# KiCad board cyberdeck-alpha.kicad_pcb
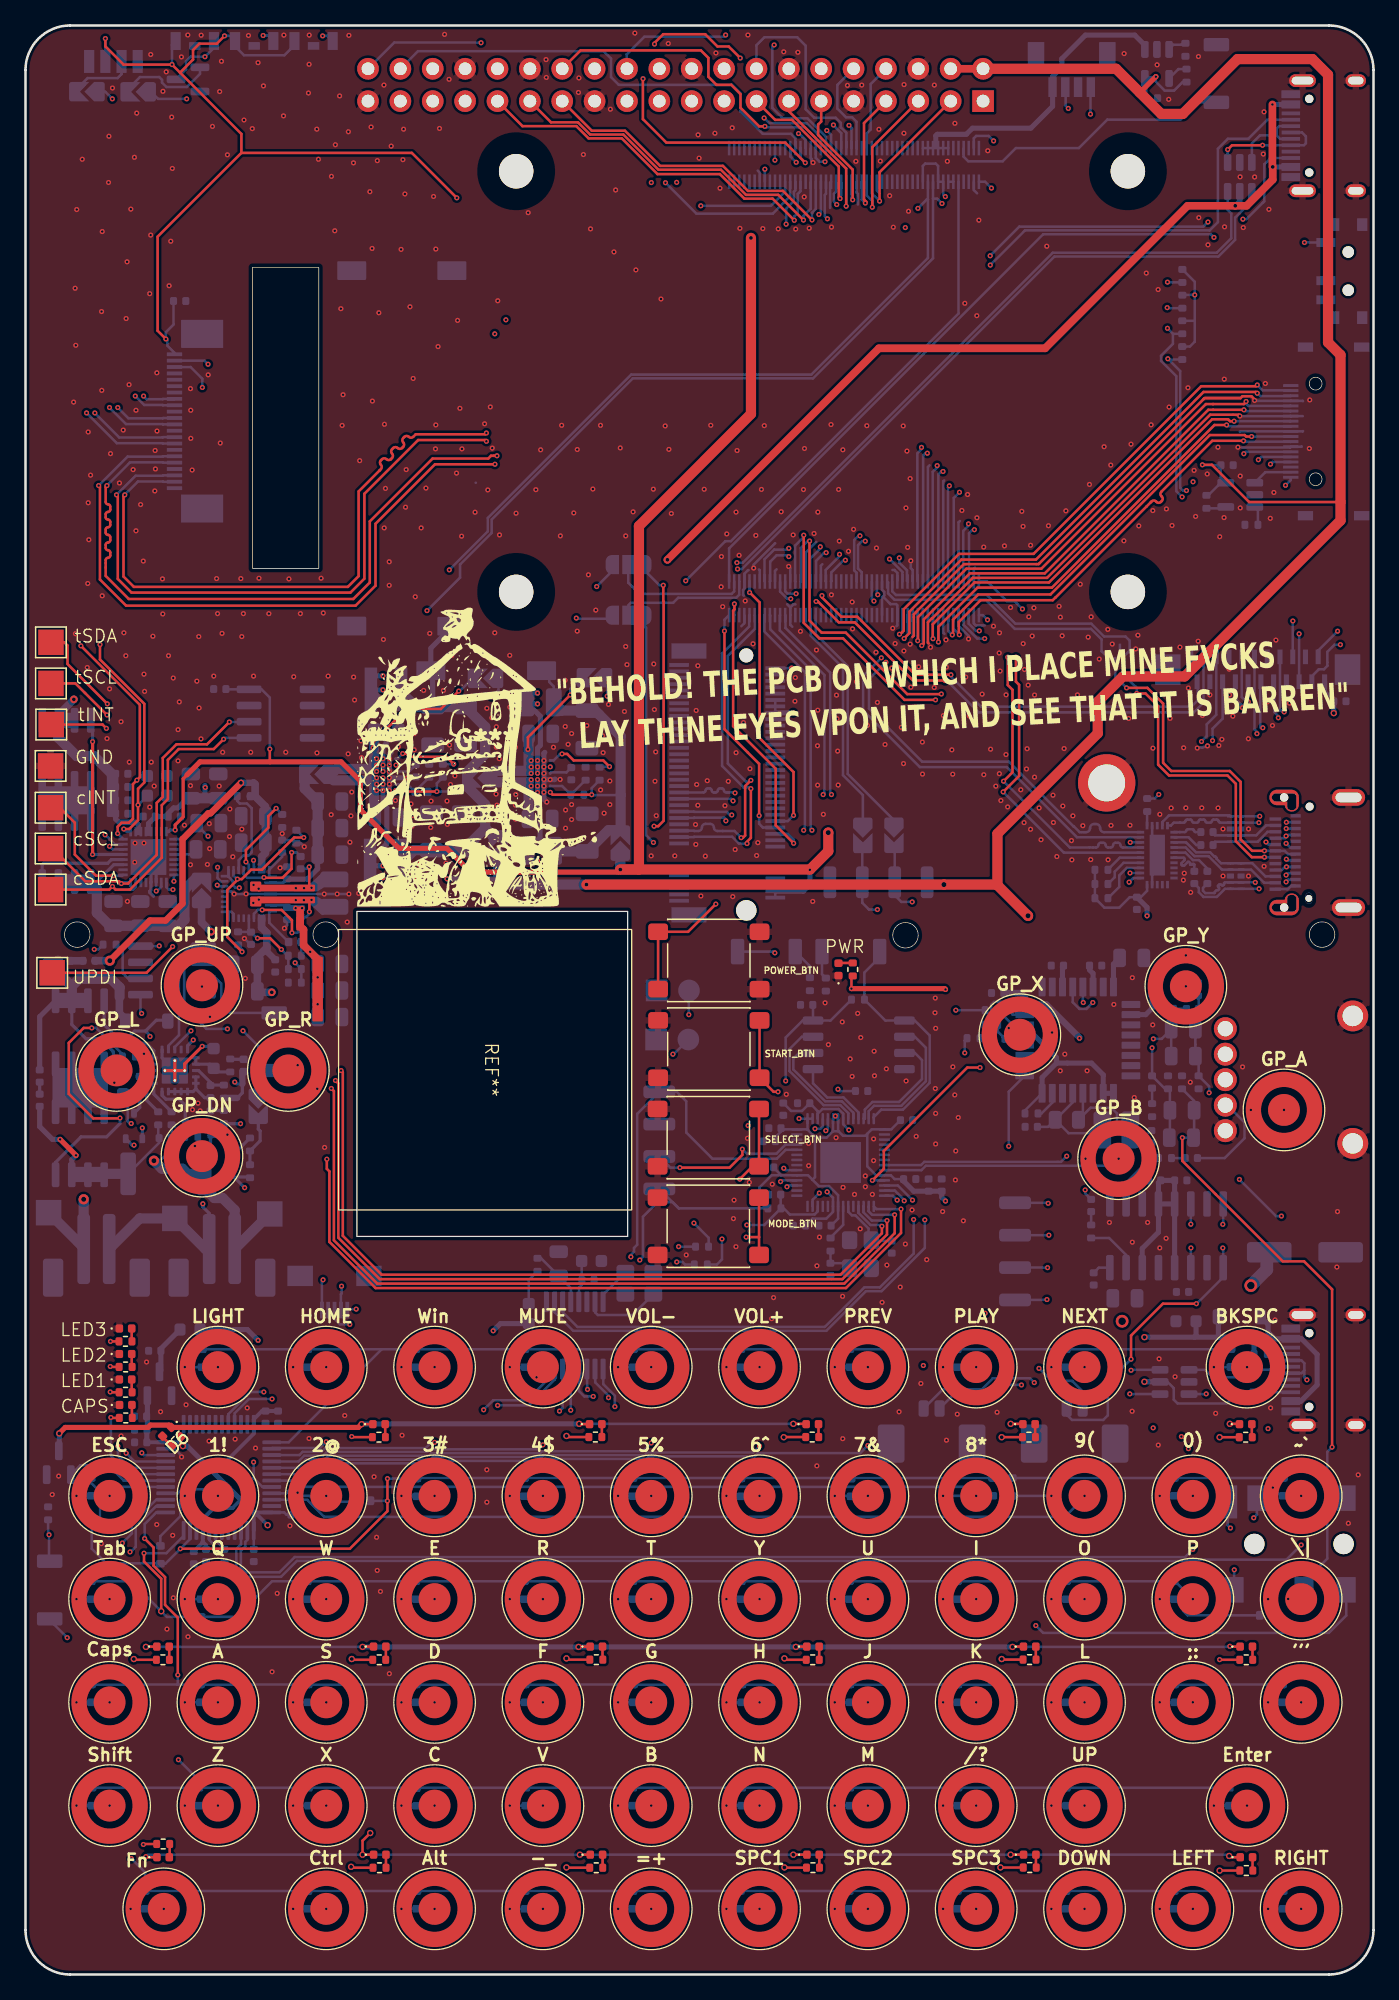
[diagram p0: board, top side]
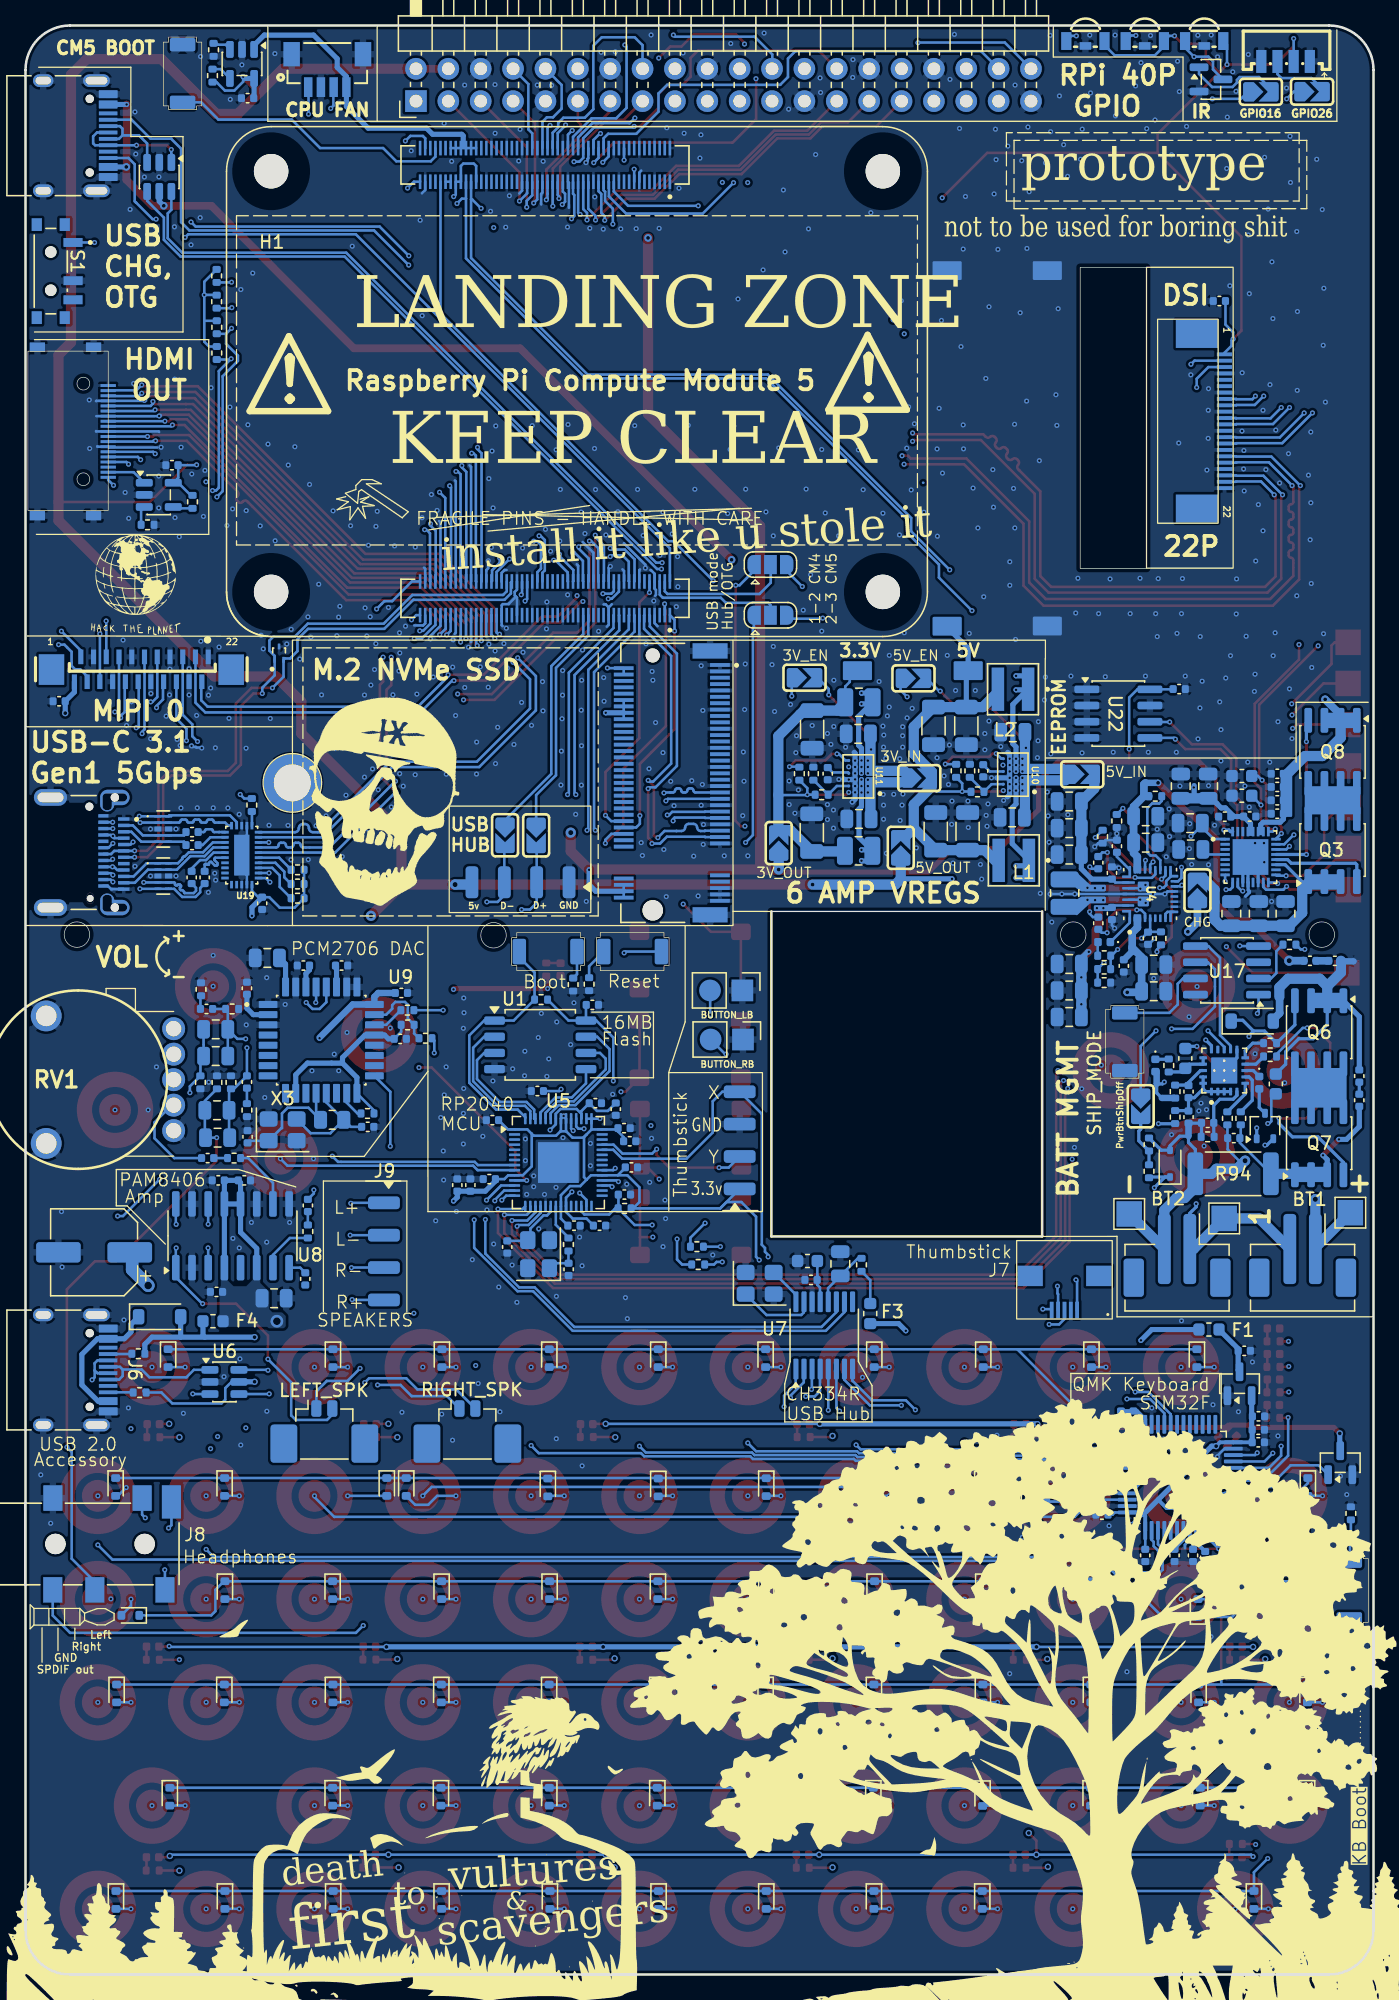
[diagram p1: board, bottom side, seen from below]

Outline 105.78 x 152.9 mm; copper layers: Top, In1.Cu, In2.Cu, Bottom. Coordinates in mm from the lower left corner of the outline.
Outline path: circle c4.06,81.58 r1 ; rectangle 17.82,133.93 23.02,110.31 ; circle c23.56,81.58 r1 ; rectangle 26,83.4 47.25,57.9 ; circle c69.05,81.53 r1 ; circle c101.74,81.58 r1 ; 0,149.4 arc(1.03,151.87) 3.5,152.9 102.28,152.9 arc(104.75,151.87) 105.78,149.4 105.78,3.5 arc(104.75,1.03) 102.28,0 3.5,0 arc(1.03,1.03) 0,3.5 0,149.4
Stack: Top 0.035mm / dielectric 0.1mm FR4 er 4.5 / In1.Cu 0.035mm / dielectric 1.24mm FR4 er 4.5 / In2.Cu 0.035mm / dielectric 0.1mm FR4 er 4.5 / Bottom 0.035mm

## Placement (name value [footprint] x y rotation side)
BT1  Battery_Cell  [JST_PH_B2B-PH-SM4-TB_1x02-1MP_P2.00mm_Vertical]  5.57 56.42 0 bottom
BT2  Battery_Cell  [JST_PH_B2B-PH-SM4-TB_1x02-1MP_P2.00mm_Vertical]  15.42 56.42 0 bottom
C1  100nF  [C_0402_1005Metric]  15.61 32.88 270 bottom
C2  1uF  [C_0402_1005Metric]  10.14 48.93 180 bottom
C3  1uF  [C_0402_1005Metric]  9.02 43.79 180 bottom
C4  100nF  [C_0402_1005Metric]  17.91 32.88 90 bottom
C5  100nF  [C_0402_1005Metric]  9.04 41.75 0 bottom
C6  4.7uF  [C_0402_1005Metric]  9.04 42.73 0 bottom
C7  100nF  [C_0402_1005Metric]  21.31 36.08 180 bottom
C8  10nF  [C_0402_1005Metric]  14.16 32.88 90 bottom
C9  1uF  [C_0402_1005Metric]  13.21 32.7 90 bottom
C10  100nF  [C_0402_1005Metric]  18.84 43.72 90 bottom
C11  4.7uF  [C_0402_1005Metric]  19.82 43.72 90 bottom
C12  100nF  [C_0402_1005Metric]  70.87 61.93 270 bottom
C13  20pF  [C_0402_1005Metric]  67.97 57.07 90 bottom
C14  20pF  [C_0402_1005Metric]  63.16 55.32 90 bottom
C15  100nF  [C_0402_1005Metric]  60.73 58.75 0 bottom
C16  100nF  [C_0402_1005Metric]  61.06 68.35 0 bottom
C17  100nF  [C_0402_1005Metric]  87.21 84.04 270 bottom
C18  470nF  [C_0402_1005Metric]  83.62 60.33 270 bottom
C19  470nF  [C_0402_1005Metric]  91.48 64.05 180 bottom
C20  100nF  [C_0402_1005Metric]  83.82 54.57 90 bottom
C21  1uF  [C_0402_1005Metric]  59.46 67.89 90 bottom
C22  100nF  [C_0402_1005Metric]  71.89 61.93 270 bottom
C23  100nF  [C_0402_1005Metric]  62.73 58.75 0 bottom
C24  100nF  [C_0402_1005Metric]  58.23 63.32 0 bottom
C25  100nF  [C_0402_1005Metric]  58.36 65.37 0 bottom
C26  1uF  [C_0402_1005Metric]  88.4 77.37 90 bottom
C27  100nF  [C_0402_1005Metric]  58.8 66.4 0 bottom
C28  10uF  [C_0603_1608Metric]  44.42 55.98 0 bottom
C29  100nF  [C_0402_1005Metric]  65.61 69.31 180 bottom
C30  100nF  [C_0402_1005Metric]  69.14 67.03 180 bottom
C31  1uF  [C_0402_1005Metric]  69.38 62.4 180 bottom
C32  100nF  [C_0402_1005Metric]  44.14 54.49 180 bottom
C33  22uF  [C_0805_2012Metric]  41.84 55.76 270 bottom
C34  1uF  [C_0402_1005Metric]  58.78 61.18 180 bottom
C35  100nF  [C_0402_1005Metric]  61.3 76.07 180 bottom
C36  1uF  [C_0402_1005Metric]  88.6 62.3 180 bottom
C37  1uF  [C_0402_1005Metric]  90.79 53.55 0 bottom
C38  100uF 16V  [CP_Elec_6.3x5.4]  100.39 56.66 0 bottom
C39  22uF  [C_0805_2012Metric]  86.27 53.05 180 bottom
C40  22nF  [C_0402_1005Metric]  88.4 70.02 90 bottom
C41  22nF  [C_0402_1005Metric]  91.57 75.75 180 bottom
C42  22uF  [C_0805_2012Metric]  90.85 74.15 0 bottom
C43  22uF  [C_0805_2012Metric]  90.85 72.05 0 bottom
C44  22uF  [C_0805_2012Metric]  90.75 67.8 0 bottom
C45  22uF  [C_0805_2012Metric]  90.7 65.65 0 bottom
C46  20pF  [C_0402_1005Metric]  88.35 65.72 270 bottom
C47  20pF  [C_0402_1005Metric]  78.92 66.5 180 bottom
C48  1uF  [C_0402_1005Metric]  80.97 79.15 180 bottom
C49  1uF  [C_0402_1005Metric]  83.97 79.15 0 bottom
C50  22uF  [C_0805_2012Metric]  86.8 79.75 180 bottom
C51  1uF  [C_0402_1005Metric]  76.37 73.4 180 bottom
C52  1uF  [C_0402_1005Metric]  76.28 77 0 bottom
C53  1uF  [C_0402_1005Metric]  90.65 62.3 180 bottom
C54  22uF  [C_0805_2012Metric]  28.35 90.78 180 bottom
C55  22uF  [C_0805_2012Metric]  28.3 97.46 180 bottom
C56  47uF  [C_1206_3216Metric]  31.85 89.68 270 bottom
C57  47uF  [C_1206_3216Metric]  31.95 97.96 90 bottom
C58  47uF  [C_1206_3216Metric]  34.35 89.68 270 bottom
C59  47uF  [C_1206_3216Metric]  34.53 97.96 90 bottom
C60  3.3nF  [C_0402_1005Metric]  30.63 94.43 90 bottom
C61  22uF  [C_0805_2012Metric]  40.43 97.33 180 bottom
C62  22uF  [C_0805_2012Metric]  40.38 90.66 180 bottom
C63  3.3nF  [C_0402_1005Metric]  42.83 94.21 90 bottom
C64  47uF  [C_1206_3216Metric]  44.05 97.68 90 bottom
C65  47uF  [C_1206_3216Metric]  44.08 89.58 270 bottom
C66  100nF  [C_0402_1005Metric]  94.28 118.41 180 bottom
C67  100nF  [C_0402_1005Metric]  88.35 147.2 180 bottom
C72  100nF  [C_0402_1005Metric]  92.71 88.61 0 bottom
C73  100nF  [C_0402_1005Metric]  92.71 89.63 0 bottom
C74  100nF  [C_0402_1005Metric]  91.72 86.07 270 bottom
C75  100nF  [C_0402_1005Metric]  92.74 86.07 270 bottom
C76  4.7uF  [C_0402_1005Metric]  17.7 81.3 90 bottom
C77  47nF  [C_0402_1005Metric]  21.6 82.48 90 bottom
C79  100nF  [C_0402_1005Metric]  12.1 131.29 0 bottom
C83  100nF  [C_0402_1005Metric]  103.14 99.89 0 bottom
C84  2.2uF  [C_0603_1608Metric]  14.77 71.87 270 bottom
C85  220nF  [C_0402_1005Metric]  14.52 69.27 90 bottom
C86  220nF  [C_0402_1005Metric]  14.52 67.27 90 bottom
C87  220nF  [C_0402_1005Metric]  13.02 66.82 180 bottom
C88  100nF  [C_0402_1005Metric]  10.97 65.62 0 bottom
C89  100nF  [C_0402_1005Metric]  1.12 68.59 270 bottom
C90  100nF  [C_0402_1005Metric]  1.12 70.49 270 bottom
C91  100nF  [C_0402_1005Metric]  3.04 79.53 180 bottom
C92  100nF  [C_0402_1005Metric]  4.99 79.53 180 bottom
C93  47nF  [C_0402_1005Metric]  21.6 87.23 270 bottom
C94  1nF  [C_0402_1005Metric]  20.14 88.52 90 bottom
C95  10uF  [C_0805_2012Metric]  17.88 90.87 180 bottom
C96  10uF  [C_0805_2012Metric]  17.88 88.8 0 bottom
C97  10uF  [C_0805_2012Metric]  23.88 79.28 0 bottom
C98  10uF  [C_0805_2012Metric]  23.88 77.2 180 bottom
C99  10uF  [C_0805_2012Metric]  23.88 75.12 180 bottom
C100  100nF  [C_0402_1005Metric]  20.53 83.24 270 bottom
C101  100nF  [C_0402_1005Metric]  19.6 79.13 270 bottom
C102  10uF  [C_0805_2012Metric]  17.25 79.23 180 bottom
C103  10uF  [C_0805_2012Metric]  17.25 77.14 0 bottom
C104  10uF  [C_0805_2012Metric]  14.39 90.33 0 bottom
C105  10uF  [C_0805_2012Metric]  14.34 88.27 0 bottom
C106  100nF  [C_0402_1005Metric]  7.55 93.17 0 bottom
C107  100nF  [C_0402_1005Metric]  20.53 86.42 90 bottom
C108  10uF  [C_0805_2012Metric]  23.88 92.03 180 bottom
C109  10uF  [C_0805_2012Metric]  23.88 89.94 180 bottom
C110  10uF  [C_0805_2012Metric]  23.88 87.86 180 bottom
C111  10uF  [C_0805_2012Metric]  6.91 83.23 90 bottom
C112  4.7uF  [C_0402_1005Metric]  7.55 94.2 0 bottom
C113  100nF  [C_0402_1005Metric]  7.55 92.12 0 bottom
C114  100nF  [C_0402_1005Metric]  7.55 91.07 0 bottom
C115  22uF  [C_0805_2012Metric]  9.01 83.23 90 bottom
C116  22uF  [C_0805_2012Metric]  11.16 83.23 90 bottom
C117  330pF  [C_0603_1608Metric]  10.33 94.03 180 bottom
C118  330pF  [C_0603_1608Metric]  10.33 92.48 180 bottom
C119  100nF  [C_0402_1005Metric]  11.68 90.84 0 bottom
C120  100nF  [C_0402_1005Metric]  9.72 90.85 180 bottom
C121  10uF  [C_0805_2012Metric]  15.13 93.23 90 bottom
C122  10uF  [C_0805_2012Metric]  12.98 93.23 90 bottom
C123  100nF  [C_0402_1005Metric]  15.25 100.84 180 bottom
D1  LED_0402  [LED_0402_1005Metric]  7.85 50.68 0 top
D2  LED_0402  [LED_0402_1005Metric]  7.85 48.68 0 top
D3  LED_0402  [LED_0402_1005Metric]  7.85 46.68 0 top
D4  LED_0402  [LED_0402_1005Metric]  7.87 44.68 0 top
D5  BACKL  [LED_0402_1005Metric]  95.8 9.2 0 top
D6  BACKL  [LED_0402_1005Metric]  11.1 42.58 225 top
D7  BACKL  [LED_0402_1005Metric]  95.79 25.73 0 top
D8  BACKL  [LED_0402_1005Metric]  10.79 25.73 0 top
D9  BACKL  [LED_0402_1005Metric]  95.74 43.18 0 top
D10  BACKL  [LED_0402_1005Metric]  10.8 9.2 0 top
D11  BACKL  [LED_0402_1005Metric]  78.8 9.4 0 top
D12  BACKL  [LED_0402_1005Metric]  27.74 43.18 0 top
D13  BACKL  [LED_0402_1005Metric]  78.79 25.73 0 top
D14  BACKL  [LED_0402_1005Metric]  27.79 25.73 0 top
D15  BACKL  [LED_0402_1005Metric]  78.74 43.18 0 top
D16  BACKL  [LED_0402_1005Metric]  27.8 9.4 0 top
D17  BACKL  [LED_0402_1005Metric]  61.8 9.4 0 top
D18  BACKL  [LED_0402_1005Metric]  44.74 43.18 0 top
D19  BACKL  [LED_0402_1005Metric]  61.79 25.73 0 top
D20  BACKL  [LED_0402_1005Metric]  44.79 25.73 0 top
D21  BACKL  [LED_0402_1005Metric]  61.74 43.18 0 top
D22  BACKL  [LED_0402_1005Metric]  44.8 9.4 0 top
D23  LED_0402  [LED_0402_1005Metric]  63.79 78.85 90 top
D27  LKIR30102C-A01(DY)  [LED-SMD_3P-L3.0-W1.0-R-RD]  13.29 151.49 180 bottom
D28  LKIR30102C-A01(DY)  [LED-SMD_3P-L3.0-W1.0-R-RD]  17.95 151.49 180 bottom
D29  LKIR30102C-A01(DY)  [LED-SMD_3P-L3.0-W1.0-R-RD]  22.61 151.49 180 bottom
D30  RB161QS-40T18R  [D_0402_1005Metric]  17.12 71.32 270 bottom
D31  MMSZ4678T1G  [D_SOD-123]  9.52 74.8 180 bottom
D32  RB161QS-40T18R  [D_0402_1005Metric]  8.97 69.97 270 bottom
D33  MMSZ5246BS-7-F  [D_SOD-323]  15.97 63.62 90 bottom
D34  -  [TPD2EUSB30DRTR]  85.88 103.66 90 bottom
D35  LED_0402  [LED_0402_1005Metric]  21.13 81 0 bottom
D_1  D  [D_SOD-523]  5.15 38.25 270 bottom
D_2  D  [D_SOD-523]  5.16 30.15 270 bottom
D_3  D  [D_SOD-523]  5.18 22.05 270 bottom
D_4  D  [D_SOD-523]  5.21 13.95 270 bottom
D_5  D  [D_SOD-523]  9.38 5.85 270 bottom
D_6  D  [D_SOD-523]  13.86 48.35 270 bottom
D_7  D  [D_SOD-523]  10.58 32.93 90 bottom
D_8  D  [D_SOD-523]  13.78 28.75 90 bottom
D_9  D  [D_SOD-523]  13.73 22.05 270 bottom
D_10  D  [D_SOD-523]  13.6 13.95 270 bottom
D_11  D  [D_SOD-523]  22.15 5.85 270 bottom
D_12  D  [D_SOD-523]  22.13 48.35 270 bottom
D_13  D  [D_SOD-523]  26.38 37.17 180 bottom
D_14  D  [D_SOD-523]  22.1 30.15 270 bottom
D_15  D  [D_SOD-523]  22.18 22.05 270 bottom
D_16  D  [D_SOD-523]  22.2 13.95 270 bottom
D_17  D  [D_SOD-523]  30.7 5.85 270 bottom
D_18  D  [D_SOD-523]  30.63 48.35 270 bottom
D_19  D  [D_SOD-523]  30.7 38.21 270 bottom
D_20  D  [D_SOD-523]  30.63 30.15 270 bottom
D_21  D  [D_SOD-523]  30.65 22.05 270 bottom
D_22  D  [D_SOD-523]  30.68 13.93 270 bottom
D_23  D  [D_SOD-523]  39.18 48.35 270 bottom
D_24  D  [D_SOD-523]  39.15 38.23 270 bottom
D_25  D  [D_SOD-523]  39.15 30.15 270 bottom
D_26  D  [D_SOD-523]  39.2 22.05 270 bottom
D_27  D  [D_SOD-523]  39.25 13.95 270 bottom
D_28  D  [D_SOD-523]  39.2 5.85 270 bottom
D_29  D  [D_SOD-523]  47.7 48.35 270 bottom
D_30  D  [D_SOD-523]  47.65 38.23 270 bottom
D_31  D  [D_SOD-523]  47.65 30.15 270 bottom
D_32  D  [D_SOD-523]  47.7 22.05 270 bottom
D_33  D  [D_SOD-523]  47.65 13.95 270 bottom
D_34  D  [D_SOD-523]  47.65 5.85 270 bottom
D_35  D  [D_SOD-523]  56.13 48.35 270 bottom
D_36  D  [D_SOD-523]  56.13 38.21 270 bottom
D_37  D  [D_SOD-523]  56.15 30.15 270 bottom
D_38  D  [D_SOD-523]  56.2 22.05 270 bottom
D_39  D  [D_SOD-523]  56.2 13.95 270 bottom
D_40  D  [D_SOD-523]  56.1 5.85 270 bottom
D_41  D  [D_SOD-523]  64.63 5.85 270 bottom
D_42  D  [D_SOD-523]  64.68 48.35 270 bottom
D_43  D  [D_SOD-523]  64.79 38.21 270 bottom
D_44  D  [D_SOD-523]  64.65 30.15 270 bottom
D_45  D  [D_SOD-523]  64.69 22.05 270 bottom
D_46  D  [D_SOD-523]  64.68 13.95 270 bottom
D_47  D  [D_SOD-523]  73.1 48.35 270 bottom
D_48  D  [D_SOD-523]  75.9 38.25 270 bottom
D_49  D  [D_SOD-523]  73.13 30.15 270 bottom
D_50  D  [D_SOD-523]  73.15 22.05 270 bottom
D_51  D  [D_SOD-523]  73.18 13.95 270 bottom
D_52  D  [D_SOD-523]  73.13 5.85 270 bottom
D_53  D  [D_SOD-523]  81.65 48.35 270 bottom
D_54  D  [D_SOD-523]  77.43 38.25 270 bottom
D_55  D  [D_SOD-523]  81.68 30.15 270 bottom
D_56  D  [D_SOD-523]  81.65 22.05 270 bottom
D_57  D  [D_SOD-523]  81.68 13.95 270 bottom
D_58  D  [D_SOD-523]  81.63 5.85 270 bottom
D_59  D  [D_SOD-523]  90.15 38.25 270 bottom
D_60  D  [D_SOD-523]  90.13 30.15 270 bottom
D_61  D  [D_SOD-523]  90.18 22.05 270 bottom
D_62  D  [D_SOD-523]  90.13 5.85 270 bottom
D_63  D  [D_SOD-523]  94.58 48.36 270 bottom
D_64  D  [D_SOD-523]  98.7 38.25 270 bottom
D_65  D  [D_SOD-523]  97.55 28.18 0 bottom
D_66  D  [D_SOD-523]  98.63 22.05 270 bottom
D_67  D  [D_SOD-523]  94.45 13.95 270 bottom
D_68  D  [D_SOD-523]  98.68 5.85 270 bottom
D_69  MBR0540  [D_SOD-123]  95.25 51.6 180 bottom
F1  500mA  [Fuse_0603_1608Metric]  12.91 50.6 180 bottom
F3  500mA  [Fuse_0603_1608Metric]  39.49 51.85 90 bottom
F4  500mA  [Fuse_0603_1608Metric]  91.06 51.25 0 bottom
G***  -  [LOGO]  36.11 96.8 0 top
G***#2  -  [LOGO]  52.21 16.49 180 bottom
G***#3  -  [LOGO]  82.13 6.04 180 bottom
G***#4  -  [LOGO]  65.49 18.67 180 bottom
G***#5  -  [LOGO]  66.76 6.45 180 bottom
G***#6  LOGO  [skull]  77.62 92.92 190 bottom
G***#7  LOGO  [hack-the-planet]  97.07 108.94 180 bottom
H1  CM5MountingHoles  [CM5-Mounting-Hole]  86.5 141.47 270 bottom
H2  SMTWE2030MTJ  [M.2 M2 nut standoff]  84.84 93.48 270 bottom
J1  CPU_FAN  [CONN4_BM04B-SRSS_JST]  82.09 149.95 180 bottom
J2  GP_LB  [SMDHeader_1x02_P2.54mm]  49.53 77.2 270 bottom
J3  GP_RB  [SMDHeader_1x02_P2.54mm]  49.48 73.35 270 bottom
J4  JOYSTICK  [1x04_P2.54 SMD pads only]  49.78 75.61 0 bottom
J5  Conn_01x06_Pin  [1x04_P2.54 SMD pads only]  77.1 85.64 270 bottom
J6  USB_C_Receptacle_USB2.0_16P  [USB_C_Receptacle_HRO_TYPE-C-31-M-12]  103.34 47.43 270 bottom
J7  Conn_01x05  [AFC01-S05FCA-00_1x05_P0.5mm_FFC_Bottom_Contact]  24.25 52.13 0 bottom
J8  -  [PJ-342B]  98.98 33.78 180 bottom
J9  SPK  [1x04_P2.54 SMD pads only]  77.6 46.56 180 bottom
J11  Conn_01x22  [AFC07-S22ECA-00]  11.69 121.86 270 bottom
J12  HDMI_C_1.3  [HDMI-519S]  99.28 121.06 270 bottom
J13  USB_C_Receptacle_USB2.0_16P  [USB_C_Receptacle_HRO_TYPE-C-31-M-12]  103.34 144.26 270 bottom
J15  Conn_02x20_Odd_Even  [PinHeader_2x20_P2.54mm_Horizontal]  75.14 146.97 90 bottom
J16  1-2199119-5  [1-2199119-5 M.2 M key]  55.06 93.48 270 bottom
J19  TSOP77438TR  [SENSOR-SMD_TSOP77438TR]  6.9 150.08 0 bottom
J20  Conn_01x22  [FPC-SMD_22P-P1.00_AFC11-S22ICC-00 - REVERSED]  96.69 102.4 0 bottom
J21  -  [DX07S024JJ2R1300]  100.76 88.02 270 bottom
JP1  SolderJumper_3_Open  [SolderJumper-3_P1.3mm_Open_RoundedPad1.0x1.5mm]  47.32 106.64 180 bottom
JP2  SolderJumper_3_Open  [SolderJumper-3_P1.3mm_Open_RoundedPad1.0x1.5mm]  47.32 110.61 180 bottom
K_1  ESC  [dome-tactile-pad]  6.6 37.55 0 top
K_2  Tab  [dome-tactile-pad]  6.6 29.45 0 top
K_3  Caps  [dome-tactile-pad]  6.6 21.35 0 top
K_4  Shift  [dome-tactile-pad]  6.6 13.25 0 top
K_5  Fn  [dome-tactile-pad]  10.85 5.15 0 top
K_6  LIGHT  [dome-tactile-pad]  15.1 47.65 0 top
K_7  1!  [dome-tactile-pad]  15.1 37.55 0 top
K_8  Q  [dome-tactile-pad]  15.1 29.45 0 top
K_9  A  [dome-tactile-pad]  15.1 21.35 0 top
K_10  Z  [dome-tactile-pad]  15.1 13.25 0 top
K_11  Ctrl  [dome-tactile-pad]  23.6 5.15 0 top
K_12  HOME  [dome-tactile-pad]  23.6 47.65 0 top
K_13  2@  [dome-tactile-pad]  23.6 37.55 0 top
K_14  W  [dome-tactile-pad]  23.6 29.45 0 top
K_15  S  [dome-tactile-pad]  23.6 21.35 0 top
K_16  X  [dome-tactile-pad]  23.6 13.25 0 top
K_17  Alt  [dome-tactile-pad]  32.1 5.15 0 top
K_18  Win  [dome-tactile-pad]  32.1 47.65 0 top
K_19  3#  [dome-tactile-pad]  32.1 37.55 0 top
K_20  E  [dome-tactile-pad]  32.1 29.45 0 top
K_21  D  [dome-tactile-pad]  32.1 21.35 0 top
K_22  C  [dome-tactile-pad]  32.1 13.25 0 top
K_23  MUTE  [dome-tactile-pad]  40.6 47.65 0 top
K_24  4$  [dome-tactile-pad]  40.6 37.55 0 top
K_25  R  [dome-tactile-pad]  40.6 29.45 0 top
K_26  F  [dome-tactile-pad]  40.6 21.35 0 top
K_27  V  [dome-tactile-pad]  40.6 13.25 0 top
K_28  -_  [dome-tactile-pad]  40.6 5.15 0 top
K_29  VOL-  [dome-tactile-pad]  49.1 47.65 0 top
K_30  5%  [dome-tactile-pad]  49.1 37.55 0 top
K_31  T  [dome-tactile-pad]  49.1 29.45 0 top
K_32  G  [dome-tactile-pad]  49.1 21.35 0 top
K_33  B  [dome-tactile-pad]  49.1 13.25 0 top
K_34  =+  [dome-tactile-pad]  49.1 5.15 0 top
K_35  VOL+  [dome-tactile-pad]  57.6 47.65 0 top
K_36  6^  [dome-tactile-pad]  57.6 37.55 0 top
K_37  Y  [dome-tactile-pad]  57.6 29.45 0 top
K_38  H  [dome-tactile-pad]  57.6 21.35 0 top
K_39  N  [dome-tactile-pad]  57.6 13.25 0 top
K_40  SPC1  [dome-tactile-pad]  57.6 5.15 0 top
K_41  SPC2  [dome-tactile-pad]  66.1 5.15 0 top
K_42  PREV  [dome-tactile-pad]  66.1 47.65 0 top
K_43  7&  [dome-tactile-pad]  66.1 37.55 0 top
K_44  U  [dome-tactile-pad]  66.1 29.45 0 top
K_45  J  [dome-tactile-pad]  66.1 21.35 0 top
K_46  M  [dome-tactile-pad]  66.1 13.25 0 top
K_47  PLAY  [dome-tactile-pad]  74.6 47.65 0 top
K_48  8*  [dome-tactile-pad]  74.6 37.55 0 top
K_49  I  [dome-tactile-pad]  74.6 29.45 0 top
K_50  K  [dome-tactile-pad]  74.6 21.35 0 top
K_51  /?  [dome-tactile-pad]  74.6 13.25 0 top
K_52  SPC3  [dome-tactile-pad]  74.6 5.15 0 top
K_53  NEXT  [dome-tactile-pad]  83.1 47.65 0 top
K_54  9(  [dome-tactile-pad]  83.1 37.55 0 top
K_55  O  [dome-tactile-pad]  83.1 29.45 0 top
K_56  L  [dome-tactile-pad]  83.1 21.35 0 top
K_57  UP  [dome-tactile-pad]  83.1 13.25 0 top
K_58  DOWN  [dome-tactile-pad]  83.1 5.15 0 top
K_59  0)  [dome-tactile-pad]  91.6 37.55 0 top
K_60  P  [dome-tactile-pad]  91.6 29.45 0 top
K_61  ;:  [dome-tactile-pad]  91.6 21.36 0 top
K_62  LEFT  [dome-tactile-pad]  91.6 5.15 0 top
K_63  BKSPC  [dome-tactile-pad]  95.85 47.65 0 top
K_64  ~`  [dome-tactile-pad]  100.1 37.55 0 top
K_65  \|  [dome-tactile-pad]  100.1 29.45 0 top
K_66  '''  [dome-tactile-pad]  100.1 21.35 0 top
K_67  Enter  [dome-tactile-pad]  95.85 13.25 0 top
K_68  RIGHT  [dome-tactile-pad]  100.1 5.15 0 top
K_69  GP_A  [dome-tactile-pad]  98.75 67.83 0 top
K_70  GP_B  [dome-tactile-pad]  85.78 64 0 top
K_71  GP_X  [dome-tactile-pad]  78.03 73.73 0 top
K_72  GP_Y  [dome-tactile-pad]  91.05 77.53 0 top
K_73  ZX-QC66-4.3TP  [ZX-QC66-7.5TP]  53.62 72.6 0 top
K_74  ZX-QC66-4.3TP  [ZX-QC66-7.5TP]  53.58 65.65 0 top
K_75  GP_UP  [dome-tactile-pad]  13.85 77.6 0 top
K_76  GP_DN  [dome-tactile-pad]  13.85 64.2 0 top
K_77  GP_L  [dome-tactile-pad]  7.15 70.93 0 top
K_78  GP_R  [dome-tactile-pad]  20.63 70.93 0 top
K_79  ZX-QC66-4.3TP  [ZX-QC66-7.5TP]  53.62 79.55 0 top
K_80  ZX-QC66-4.3TP  [ZX-QC66-7.5TP]  53.58 58.7 0 top
K_81  TS-1088-AR02016  [BTN_SMD_4x3mm]  58.18 80.25 0 bottom
K_82  TS-1088-AR02016  [BTN_SMD_4x3mm]  64.73 80.25 180 bottom
K_83  TS-1088-AR02016  [BTN_SMD_4x3mm]  1.9 30.13 270 bottom
K_84  TS-1088-AR02016  [BTN_SMD_4x3mm]  93.45 149.1 270 bottom
K_85  TS-1088-AR02016  [BTN_SMD_4x3mm]  19.52 73.22 90 bottom
L1  1uH  [IND_XFL4020-102MEC]  28.23 87.41 0 bottom
L2  1uH  [IND_XFL4020-102MEC]  28.29 100.83 0 bottom
L3  1uH  [L_1008_2520Metric]  40.4 88.16 0 bottom
L4  1uH  [L_1008_2520Metric]  40.38 99.81 0 bottom
L6  1uH  [L_1008_2520Metric]  24.24 84.84 90 bottom
LS1  SPK  [Molex_PicoBlade_53398-0271_1x02-1MP_P1.25mm_Vertical]  82.33 43.15 180 bottom
LS2  SPK  [Molex_PicoBlade_53398-0271_1x02-1MP_P1.25mm_Vertical]  71.1 43.15 180 bottom
Module2  10164227-1001A1RLF  [AMPHENOL_10164227-1004A1RLF]  65.01 141.96 180 bottom
Module3  10164227-1001A1RLF  [AMPHENOL_10164227-1004A1RLF-101-200]  65.01 107.96 180 bottom
NT1  NetTie_2  [NetTie-2_SMD_Pad0.5mm]  17.02 70.37 270 bottom
NT2  NetTie_2  [NetTie-2_SMD_Pad0.5mm]  16.12 68.77 180 bottom
NT3  NetTie_2  [NetTie-2_SMD_Pad0.5mm]  14.52 66.27 90 bottom
NT6  NetTie_2  [NetTie-2_SMD_Pad0.5mm]  17.41 93.49 0 bottom
NT7  NetTie_2  [NetTie-2_SMD_Pad0.5mm]  2.06 79.49 0 bottom
Q1  IRLML6244  [SOT-23]  2.61 40.15 90 bottom
Q2  CJ2101  [SOT-323_SC-70]  8.52 66.57 90 bottom
Q3  SI4174DY-T1-GE3_N-Channel_FET_SOIC-8  [SOIC-8_3.9x4.9mm_P1.27mm]  3.22 88.22 90 bottom
Q5  IRLML6244  [SOT-23]  12.75 148.67 180 bottom
Q6  SI4174DY-T1-GE3_N-Channel_FET_SOIC-8  [SOIC-8_3.9x4.9mm_P1.27mm]  4.27 73.92 270 bottom
Q7  SI4174DY-T1-GE3_N-Channel_FET_SOIC-8  [SOIC-8_3.9x4.9mm_P1.27mm]  4.27 65.22 90 bottom
Q8  SI4174DY-T1-GE3_N-Channel_FET_SOIC-8  [SOIC-8_3.9x4.9mm_P1.27mm]  3.22 95.92 270 bottom
R1  10K  [R_0402_1005Metric]  1.78 36.18 270 bottom
R2  30R  [R_0402_1005Metric]  95.8 8.16 180 top